# KiCad board oresat-backplane-2u.kicad_pcb
title: Oresat Backplane; rev: v2.2 (Frame v2)
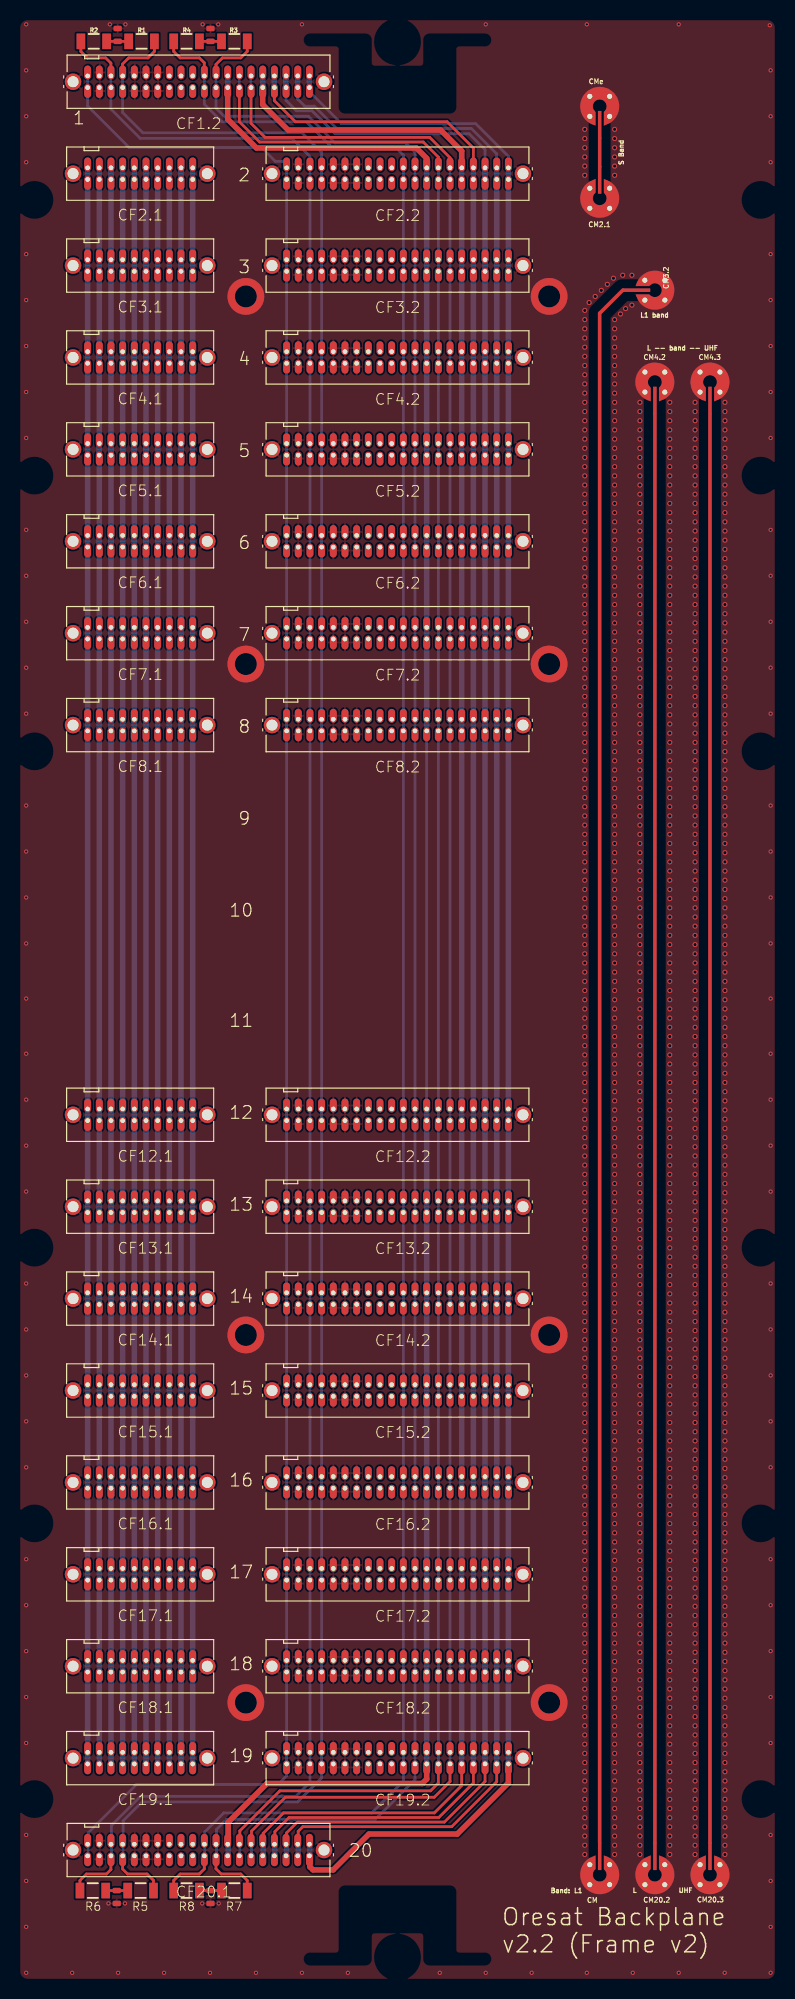
[diagram p0: board, top side]
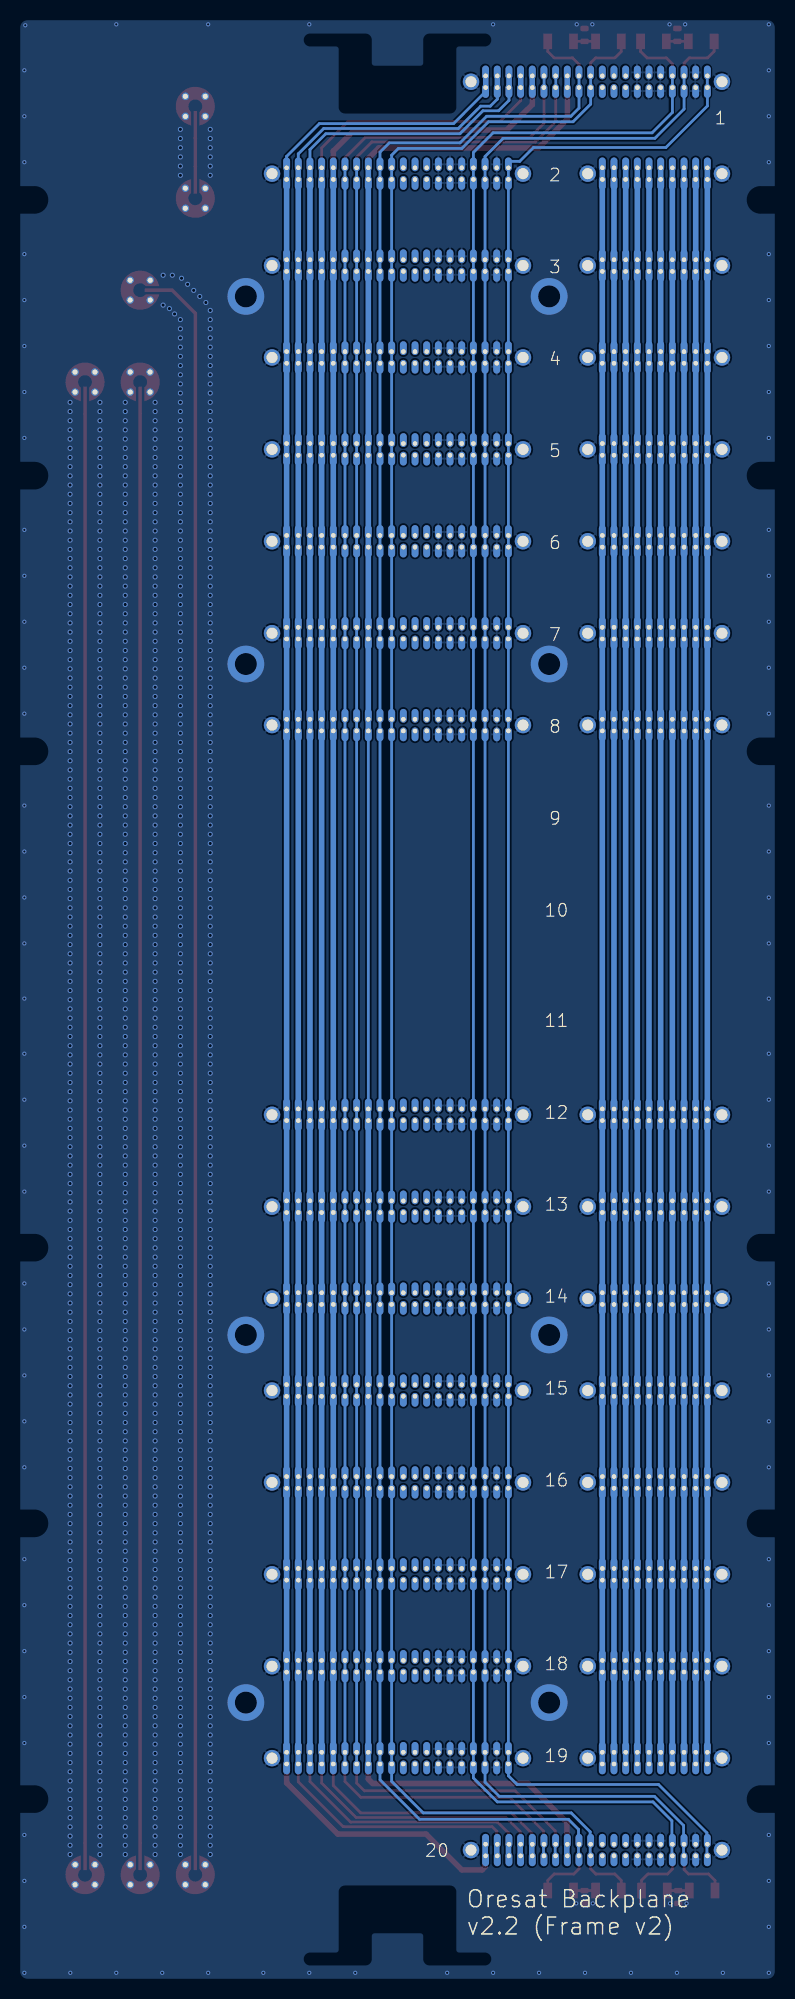
[diagram p1: board, bottom side, seen from below]

Outline 82.5 x 213.5 mm; copper layers: Top, In1.Cu, In2.Cu, Bottom. Coordinates in mm from the lower left corner of the outline.
Outline path: 0,212.5 0,195.05 1.75,195.05 arc(3.05,193.75) 1.75,192.45 0,192.45 0,165.05 1.75,165.05 arc(3.05,163.75) 1.75,162.45 0,162.45 0,135.05 1.75,135.05 arc(3.05,133.75) 1.75,132.45 0,132.45 0,81.05 1.75,81.05 arc(3.05,79.75) 1.75,78.45 0,78.45 0,51.05 1.75,51.05 arc(3.05,49.75) 1.75,48.45 0,48.45 0,21.05 1.75,21.05 arc(3.05,19.75) 1.75,18.45 0,18.45 0,1 arc(0.29,0.29) 1,0 81.5,0 arc(82.21,0.29) 82.5,1 82.5,18.45 80.75,18.45 arc(79.45,19.75) 80.75,21.05 82.5,21.05 82.5,48.45 80.75,48.45 arc(79.45,49.75) 80.75,51.05 82.5,51.05 82.5,78.45 80.75,78.45 arc(79.45,79.75) 80.75,81.05 82.5,81.05 82.5,132.45 80.75,132.45 arc(79.45,133.75) 80.75,135.05 82.5,135.05 82.5,162.45 80.75,162.45 arc(79.45,163.75) 80.75,165.05 82.5,165.05 82.5,192.45 80.75,192.45 arc(79.45,193.75) 80.75,195.05 82.5,195.05 82.5,212.5 arc(82.21,213.21) 81.5,213.5 1,213.5 arc(0.29,213.21) 0,212.5 ; 31.75,210.65 arc(31.25,211.15) 31.75,211.65 37.75,211.65 arc(38.1,211.5) 38.25,211.15 38.25,208.65 arc(38.4,208.3) 38.75,208.15 43.75,208.15 arc(44.1,208.3) 44.25,208.65 44.25,211.15 arc(44.4,211.5) 44.75,211.65 50.75,211.65 arc(51.25,211.15) 50.75,210.65 47.95,210.65 arc(47.6,210.5) 47.45,210.15 47.45,203.85 arc(47.3,203.5) 46.95,203.35 35.55,203.35 arc(35.2,203.5) 35.05,203.85 35.05,210.15 arc(34.9,210.5) 34.55,210.65 31.75,210.65 ; 31.75,2.85 34.55,2.85 arc(34.9,3) 35.05,3.35 35.05,9.65 arc(35.2,10) 35.55,10.15 46.95,10.15 arc(47.3,10) 47.45,9.65 47.45,3.35 arc(47.6,3) 47.95,2.85 50.75,2.85 arc(51.25,2.35) 50.75,1.85 44.75,1.85 arc(44.4,2) 44.25,2.35 44.25,4.85 arc(44.1,5.2) 43.75,5.35 38.75,5.35 arc(38.4,5.2) 38.25,4.85 38.25,2.35 arc(38.1,2) 37.75,1.85 31.75,1.85 arc(31.25,2.35) 31.75,2.85
Stack: Top 0.035mm / dielectric 0.48mm FR4 er 4.5 / In1.Cu 0.035mm / dielectric 0.48mm FR4 er 4.5 / In2.Cu 0.035mm / dielectric 0.48mm FR4 er 4.5 / Bottom 0.035mm

## Placement (name value [footprint] x y rotation side)
C1  1n  [.0603-C-NOSILK]  10.8 211.7 90 top
C2  1n  [.0603-C-NOSILK]  20.9 211.7 90 top
C3  1n  [.0603-C-NOSILK]  10.7 9.1 270 top
C4  1n  [.0603-C-NOSILK]  20.9 9.1 270 top
CF1.2  SFM-120-X1-XXX-D  [J-SAMTEC-SFM-120-X1-XXX-D]  19.6 206.61 0 top
CF2.1  SFM-110-X1-XXX-D-LC  [J-SAMTEC-CF-SFM-110-X1-XXX-D-LC]  13.25 196.61 0 top
CF2.2  SFM-120-X1-XXX-D  [J-SAMTEC-SFM-120-X1-XXX-D]  41.25 196.61 0 top
CF3.1  SFM-110-X1-XXX-D-LC  [J-SAMTEC-CF-SFM-110-X1-XXX-D-LC]  13.25 186.61 0 top
CF3.2  SFM-120-X1-XXX-D  [J-SAMTEC-SFM-120-X1-XXX-D]  41.25 186.61 0 top
CF4.1  SFM-110-X1-XXX-D-LC  [J-SAMTEC-CF-SFM-110-X1-XXX-D-LC]  13.25 176.61 0 top
CF4.2  SFM-120-X1-XXX-D  [J-SAMTEC-SFM-120-X1-XXX-D]  41.25 176.61 0 top
CF5.1  SFM-110-X1-XXX-D-LC  [J-SAMTEC-CF-SFM-110-X1-XXX-D-LC]  13.25 166.61 0 top
CF5.2  SFM-120-X1-XXX-D  [J-SAMTEC-SFM-120-X1-XXX-D]  41.25 166.61 0 top
CF6.1  SFM-110-X1-XXX-D-LC  [J-SAMTEC-CF-SFM-110-X1-XXX-D-LC]  13.25 156.61 0 top
CF6.2  SFM-120-X1-XXX-D  [J-SAMTEC-SFM-120-X1-XXX-D]  41.25 156.61 0 top
CF7.1  SFM-110-X1-XXX-D-LC  [J-SAMTEC-CF-SFM-110-X1-XXX-D-LC]  13.25 146.61 0 top
CF7.2  SFM-120-X1-XXX-D  [J-SAMTEC-SFM-120-X1-XXX-D]  41.25 146.61 0 top
CF8.1  SFM-110-X1-XXX-D-LC  [J-SAMTEC-CF-SFM-110-X1-XXX-D-LC]  13.25 136.61 0 top
CF8.2  SFM-120-X1-XXX-D  [J-SAMTEC-SFM-120-X1-XXX-D]  41.25 136.61 0 top
CF12.1  SFM-110-X1-XXX-D-LC  [J-SAMTEC-CF-SFM-110-X1-XXX-D-LC]  13.25 94.21 0 top
CF12.2  SFM-120-X1-XXX-D  [J-SAMTEC-SFM-120-X1-XXX-D]  41.25 94.21 0 top
CF13.1  SFM-110-X1-XXX-D-LC  [J-SAMTEC-CF-SFM-110-X1-XXX-D-LC]  13.25 84.21 0 top
CF13.2  SFM-120-X1-XXX-D  [J-SAMTEC-SFM-120-X1-XXX-D]  41.25 84.21 0 top
CF14.1  SFM-110-X1-XXX-D-LC  [J-SAMTEC-CF-SFM-110-X1-XXX-D-LC]  13.25 74.21 0 top
CF14.2  SFM-120-X1-XXX-D  [J-SAMTEC-SFM-120-X1-XXX-D]  41.25 74.21 0 top
CF15.1  SFM-110-X1-XXX-D-LC  [J-SAMTEC-CF-SFM-110-X1-XXX-D-LC]  13.25 64.21 0 top
CF15.2  SFM-120-X1-XXX-D  [J-SAMTEC-SFM-120-X1-XXX-D]  41.25 64.21 0 top
CF16.1  SFM-110-X1-XXX-D-LC  [J-SAMTEC-CF-SFM-110-X1-XXX-D-LC]  13.25 54.21 0 top
CF16.2  SFM-120-X1-XXX-D  [J-SAMTEC-SFM-120-X1-XXX-D]  41.25 54.21 0 top
CF17.1  SFM-110-X1-XXX-D-LC  [J-SAMTEC-CF-SFM-110-X1-XXX-D-LC]  13.25 44.21 0 top
CF17.2  SFM-120-X1-XXX-D  [J-SAMTEC-SFM-120-X1-XXX-D]  41.25 44.21 0 top
CF18.1  SFM-110-X1-XXX-D-LC  [J-SAMTEC-CF-SFM-110-X1-XXX-D-LC]  13.25 34.21 0 top
CF18.2  SFM-120-X1-XXX-D  [J-SAMTEC-SFM-120-X1-XXX-D]  41.25 34.21 0 top
CF19.1  SFM-110-X1-XXX-D-LC  [J-SAMTEC-CF-SFM-110-X1-XXX-D-LC]  13.25 24.21 0 top
CF19.2  SFM-120-X1-XXX-D  [J-SAMTEC-SFM-120-X1-XXX-D]  41.25 24.21 0 top
CF20.1  SFM-120-X1-XXX-D  [J-SAMTEC-SFM-120-X1-XXX-D]  19.6 14.21 0 top
CM  J-MOLEX-SMPM-73300-0111X  [J-MOLEX-SMPM-73300-0111X-long]  63.25 11.53 0 top
CM2.1  J-MOLEX-SMPM-73300-0111X  [J-MOLEX-SMPM-73300-0111X-long]  63.25 193.93 0 top
CM3.2  J-MOLEX-SMPM-73300-0111X  [J-MOLEX-SMPM-73300-0111X-long]  69.25 183.93 90 top
CM4.2  J-MOLEX-SMPM-73300-0111X  [J-MOLEX-SMPM-73300-0111X-long]  69.25 173.93 180 top
CM4.3  J-MOLEX-SMPM-73300-0111X  [J-MOLEX-SMPM-73300-0111X-long]  75.25 173.93 180 top
CM20.2  J-MOLEX-SMPM-73300-0111X  [J-MOLEX-SMPM-73300-0111X-long]  69.25 11.53 0 top
CM20.3  J-MOLEX-SMPM-73300-0111X  [J-MOLEX-SMPM-73300-0111X-long]  75.25 11.53 0 top
CMe  J-MOLEX-SMPM-73300-0111X  [J-MOLEX-SMPM-73300-0111X-long]  63.25 203.93 180 top
R1  60.4  [1206-C]  13.4 211 180 top
R2  60.4  [1206-C]  8.2 211 0 top
R3  60.4  [1206-C]  23.5 211 180 top
R4  60.4  [1206-C]  18.3 211 0 top
R5  60.4  [1206-C]  13.3 9.8 180 top
R6  60.4  [1206-C]  8.1 9.8 0 top
R7  60.4  [1206-C]  23.5 9.8 180 top
R8  60.4  [1206-C]  18.3 9.8 0 top

## Footprints (pads in the part's own frame, mm; a bottom-side part is the same pattern mirrored in y, then rotated)
1206-C
  rect 0.95x1.7 smd: 1(-1.4,0) 2(1.4,0)
.0603-C-NOSILK
  rrect 0.6x0.9 smd: 1(-0.7,0) 2(0.7,0)
J-MOLEX-SMPM-73300-0111X-long
  round 0.825 hole 0.55: GND(-1.08,1.09) GND(-1.08,-1.09) GND(1.08,1.09) GND(1.08,-1.09)
  custom 4.25x4.224 smd: GND(0,-1.419)
  rect 0.38x3 smd: RF-DOWN(0,3.5)
J-SAMTEC-CF-SFM-110-X1-XXX-D-LC
  oval 0.75x1.5 hole 0.5: 1(5.715,-0.635) 2(5.715,0.635) 3(4.445,-0.635) 4(4.445,0.635) 5(3.175,-0.635) 6(3.175,0.635) 7(1.905,-0.635) 8(1.905,0.635) 9(0.635,-0.635) 10(0.635,0.635) 11(-0.635,-0.635) 12(-0.635,0.635) 13(-1.905,-0.635) 14(-1.905,0.635) 15(-3.175,-0.635) 16(-3.175,0.635) 17(-4.445,-0.635) 18(-4.445,0.635) 19(-5.715,-0.635) 20(-5.715,0.635)
  round 1.791 hole 1.194: LC1(7.303,0) LC2(-7.303,0)
J-SAMTEC-SFM-120-X1-XXX-D
  oval 0.75x1.5 hole 0.5: 1(12.065,-0.635) 2(12.065,0.635) 3(10.795,-0.635) 4(10.795,0.635) 5(9.525,-0.635) 6(9.525,0.635) 7(8.255,-0.635) 8(8.255,0.635) 9(6.985,-0.635) 10(6.985,0.635) 11(5.715,-0.635) 12(5.715,0.635) 13(4.445,-0.635) 14(4.445,0.635) 15(3.175,-0.635) 16(3.175,0.635) 17(1.905,-0.635) 18(1.905,0.635) 19(0.635,-0.635) 20(0.635,0.635) 21(-0.635,-0.635) 22(-0.635,0.635) 23(-1.905,-0.635) 24(-1.905,0.635) 25(-3.175,-0.635) 26(-3.175,0.635) 27(-4.445,-0.635) 28(-4.445,0.635) 29(-5.715,-0.635) 30(-5.715,0.635) 31(-6.985,-0.635) 32(-6.985,0.635) 33(-8.255,-0.635) 34(-8.255,0.635) 35(-9.525,-0.635) 36(-9.525,0.635) 37(-10.795,-0.635) 38(-10.795,0.635) 39(-12.065,-0.635) 40(-12.065,0.635)
  round 1.791 hole 1.194: LC1(13.652,0) LC2(-13.652,0)

## Nets
GND: C1.2 C2.2 C3.2 C4.2 CF1.2.27 CF1.2.28 CF1.2.29 CF1.2.30 CF1.2.31 CF1.2.32 CF1.2.37 CF1.2.38 CF1.2.LC1 CF1.2.LC2 CF2.1.LC1 CF2.1.LC2 CF2.2.27 CF2.2.28 CF2.2.29 CF2.2.30 CF2.2.31 CF2.2.32 CF2.2.37 CF2.2.38 CF2.2.LC1 CF2.2.LC2 CF3.1.LC1 CF3.1.LC2 CF3.2.27 CF3.2.28 CF3.2.29 CF3.2.30 CF3.2.31 CF3.2.32 CF3.2.37 CF3.2.38 CF3.2.LC1 CF3.2.LC2 CF4.1.LC1 CF4.1.LC2 CF4.2.27 CF4.2.28 CF4.2.29 CF4.2.30 CF4.2.31 CF4.2.32 CF4.2.37 CF4.2.38 CF4.2.LC1 CF4.2.LC2 CF5.1.LC1 CF5.1.LC2 CF5.2.27 CF5.2.28 CF5.2.29 CF5.2.30 CF5.2.31 CF5.2.32 CF5.2.37 CF5.2.38 CF5.2.LC1 CF5.2.LC2 CF6.1.LC1 CF6.1.LC2 CF6.2.27 CF6.2.28 CF6.2.29 CF6.2.30 CF6.2.31 CF6.2.32 CF6.2.37 CF6.2.38 CF6.2.LC1 CF6.2.LC2 CF7.1.LC1 CF7.1.LC2 CF7.2.27 CF7.2.28 CF7.2.29 CF7.2.30 CF7.2.31 CF7.2.32 CF7.2.37 CF7.2.38 CF7.2.LC1 CF7.2.LC2 CF8.1.LC1 CF8.1.LC2 CF8.2.27 CF8.2.28 CF8.2.29 CF8.2.30 CF8.2.31 CF8.2.32 CF8.2.37 CF8.2.38 CF8.2.LC1 CF8.2.LC2 CF12.1.LC1 CF12.1.LC2 CF12.2.27 CF12.2.28 CF12.2.29 CF12.2.30 CF12.2.31 CF12.2.32 CF12.2.37 CF12.2.38 CF12.2.LC1 CF12.2.LC2 CF13.1.LC1 CF13.1.LC2 CF13.2.27 CF13.2.28 CF13.2.29 CF13.2.30 CF13.2.31 CF13.2.32 CF13.2.37 CF13.2.38 CF13.2.LC1 CF13.2.LC2 CF14.1.LC1 CF14.1.LC2 CF14.2.27 CF14.2.28 CF14.2.29 CF14.2.30 CF14.2.31 CF14.2.32 CF14.2.37 CF14.2.38 CF14.2.LC1 CF14.2.LC2 CF15.1.LC1 CF15.1.LC2 CF15.2.27 CF15.2.28 CF15.2.29 CF15.2.30 CF15.2.31 CF15.2.32 CF15.2.37 CF15.2.38 CF15.2.LC1 CF15.2.LC2 CF16.1.LC1 CF16.1.LC2 CF16.2.27 CF16.2.28 CF16.2.29 CF16.2.30 CF16.2.31 CF16.2.32 CF16.2.37 CF16.2.38 CF16.2.LC1 CF16.2.LC2 CF17.1.LC1 CF17.1.LC2 CF17.2.27 CF17.2.28 CF17.2.29 CF17.2.30 CF17.2.31 CF17.2.32 CF17.2.37 CF17.2.38 CF17.2.LC1 CF17.2.LC2 CF18.1.LC1 CF18.1.LC2 CF18.2.27 CF18.2.28 CF18.2.29 CF18.2.30 CF18.2.31 CF18.2.32 CF18.2.37 CF18.2.38 CF18.2.LC1 CF18.2.LC2 CF19.1.LC1 CF19.1.LC2 CF19.2.27 CF19.2.28 CF19.2.29 CF19.2.30 CF19.2.31 CF19.2.32 CF19.2.37 CF19.2.38 CF19.2.LC1 CF19.2.LC2 CF20.1.27 CF20.1.28 CF20.1.29 CF20.1.30 CF20.1.31 CF20.1.32 CF20.1.37 CF20.1.38 CF20.1.LC1 CF20.1.LC2 CM.GND CM2.1.GND CM3.2.GND CM4.2.GND CM4.3.GND CM20.2.GND CM20.3.GND CMe.GND
VBUS: CF1.2.21 CF1.2.22 CF1.2.23 CF1.2.24 CF1.2.25 CF1.2.26 CF2.2.21 CF2.2.22 CF2.2.23 CF2.2.24 CF2.2.25 CF2.2.26 CF3.2.21 CF3.2.22 CF3.2.23 CF3.2.24 CF3.2.25 CF3.2.26 CF4.2.21 CF4.2.22 CF4.2.23 CF4.2.24 CF4.2.25 CF4.2.26 CF5.2.21 CF5.2.22 CF5.2.23 CF5.2.24 CF5.2.25 CF5.2.26 CF6.2.21 CF6.2.22 CF6.2.23 CF6.2.24 CF6.2.25 CF6.2.26 CF7.2.21 CF7.2.22 CF7.2.23 CF7.2.24 CF7.2.25 CF7.2.26 CF8.2.21 CF8.2.22 CF8.2.23 CF8.2.24 CF8.2.25 CF8.2.26 CF12.2.21 CF12.2.22 CF12.2.23 CF12.2.24 CF12.2.25 CF12.2.26 CF13.2.21 CF13.2.22 CF13.2.23 CF13.2.24 CF13.2.25 CF13.2.26 CF14.2.21 CF14.2.22 CF14.2.23 CF14.2.24 CF14.2.25 CF14.2.26 CF15.2.21 CF15.2.22 CF15.2.23 CF15.2.24 CF15.2.25 CF15.2.26 CF16.2.21 CF16.2.22 CF16.2.23 CF16.2.24 CF16.2.25 CF16.2.26 CF17.2.21 CF17.2.22 CF17.2.23 CF17.2.24 CF17.2.25 CF17.2.26 CF18.2.21 CF18.2.22 CF18.2.23 CF18.2.24 CF18.2.25 CF18.2.26 CF19.2.21 CF19.2.22 CF19.2.23 CF19.2.24 CF19.2.25 CF19.2.26 CF20.1.21 CF20.1.22 CF20.1.23 CF20.1.24 CF20.1.25 CF20.1.26
AUX-1: CF2.1.1 CF2.1.2 CF3.1.1 CF3.1.2 CF4.1.1 CF4.1.2 CF5.1.1 CF5.1.2 CF6.1.1 CF6.1.2 CF7.1.1 CF7.1.2 CF8.1.1 CF8.1.2 CF12.1.1 CF12.1.2 CF13.1.1 CF13.1.2 CF14.1.1 CF14.1.2 CF15.1.1 CF15.1.2 CF16.1.1 CF16.1.2 CF17.1.1 CF17.1.2 CF18.1.1 CF18.1.2 CF19.1.1 CF19.1.2
AUX-2: CF2.1.3 CF2.1.4 CF3.1.3 CF3.1.4 CF4.1.3 CF4.1.4 CF5.1.3 CF5.1.4 CF6.1.3 CF6.1.4 CF7.1.3 CF7.1.4 CF8.1.3 CF8.1.4 CF12.1.3 CF12.1.4 CF13.1.3 CF13.1.4 CF14.1.3 CF14.1.4 CF15.1.3 CF15.1.4 CF16.1.3 CF16.1.4 CF17.1.3 CF17.1.4 CF18.1.3 CF18.1.4 CF19.1.3 CF19.1.4
AUX-3: CF2.1.5 CF2.1.6 CF3.1.5 CF3.1.6 CF4.1.5 CF4.1.6 CF5.1.5 CF5.1.6 CF6.1.5 CF6.1.6 CF7.1.5 CF7.1.6 CF8.1.5 CF8.1.6 CF12.1.5 CF12.1.6 CF13.1.5 CF13.1.6 CF14.1.5 CF14.1.6 CF15.1.5 CF15.1.6 CF16.1.5 CF16.1.6 CF17.1.5 CF17.1.6 CF18.1.5 CF18.1.6 CF19.1.5 CF19.1.6
AUX-4: CF2.1.7 CF2.1.8 CF3.1.7 CF3.1.8 CF4.1.7 CF4.1.8 CF5.1.7 CF5.1.8 CF6.1.7 CF6.1.8 CF7.1.7 CF7.1.8 CF8.1.7 CF8.1.8 CF12.1.7 CF12.1.8 CF13.1.7 CF13.1.8 CF14.1.7 CF14.1.8 CF15.1.7 CF15.1.8 CF16.1.7 CF16.1.8 CF17.1.7 CF17.1.8 CF18.1.7 CF18.1.8 CF19.1.7 CF19.1.8
AUX-5: CF2.1.9 CF2.1.10 CF3.1.9 CF3.1.10 CF4.1.9 CF4.1.10 CF5.1.9 CF5.1.10 CF6.1.9 CF6.1.10 CF7.1.9 CF7.1.10 CF8.1.9 CF8.1.10 CF12.1.9 CF12.1.10 CF13.1.9 CF13.1.10 CF14.1.9 CF14.1.10 CF15.1.9 CF15.1.10 CF16.1.9 CF16.1.10 CF17.1.9 CF17.1.10 CF18.1.9 CF18.1.10 CF19.1.9 CF19.1.10
AUX-6: CF2.1.11 CF2.1.12 CF3.1.11 CF3.1.12 CF4.1.11 CF4.1.12 CF5.1.11 CF5.1.12 CF6.1.11 CF6.1.12 CF7.1.11 CF7.1.12 CF8.1.11 CF8.1.12 CF12.1.11 CF12.1.12 CF13.1.11 CF13.1.12 CF14.1.11 CF14.1.12 CF15.1.11 CF15.1.12 CF16.1.11 CF16.1.12 CF17.1.11 CF17.1.12 CF18.1.11 CF18.1.12 CF19.1.11 CF19.1.12
AUX-7: CF2.1.13 CF2.1.14 CF3.1.13 CF3.1.14 CF4.1.13 CF4.1.14 CF5.1.13 CF5.1.14 CF6.1.13 CF6.1.14 CF7.1.13 CF7.1.14 CF8.1.13 CF8.1.14 CF12.1.13 CF12.1.14 CF13.1.13 CF13.1.14 CF14.1.13 CF14.1.14 CF15.1.13 CF15.1.14 CF16.1.13 CF16.1.14 CF17.1.13 CF17.1.14 CF18.1.13 CF18.1.14 CF19.1.13 CF19.1.14
AUX-8: CF2.1.15 CF2.1.16 CF3.1.15 CF3.1.16 CF4.1.15 CF4.1.16 CF5.1.15 CF5.1.16 CF6.1.15 CF6.1.16 CF7.1.15 CF7.1.16 CF8.1.15 CF8.1.16 CF12.1.15 CF12.1.16 CF13.1.15 CF13.1.16 CF14.1.15 CF14.1.16 CF15.1.15 CF15.1.16 CF16.1.15 CF16.1.16 CF17.1.15 CF17.1.16 CF18.1.15 CF18.1.16 CF19.1.15 CF19.1.16
AUX-9: CF2.1.17 CF2.1.18 CF3.1.17 CF3.1.18 CF4.1.17 CF4.1.18 CF5.1.17 CF5.1.18 CF6.1.17 CF6.1.18 CF7.1.17 CF7.1.18 CF8.1.17 CF8.1.18 CF12.1.17 CF12.1.18 CF13.1.17 CF13.1.18 CF14.1.17 CF14.1.18 CF15.1.17 CF15.1.18 CF16.1.17 CF16.1.18 CF17.1.17 CF17.1.18 CF18.1.17 CF18.1.18 CF19.1.17 CF19.1.18
AUX-10: CF2.1.19 CF2.1.20 CF3.1.19 CF3.1.20 CF4.1.19 CF4.1.20 CF5.1.19 CF5.1.20 CF6.1.19 CF6.1.20 CF7.1.19 CF7.1.20 CF8.1.19 CF8.1.20 CF12.1.19 CF12.1.20 CF13.1.19 CF13.1.20 CF14.1.19 CF14.1.20 CF15.1.19 CF15.1.20 CF16.1.19 CF16.1.20 CF17.1.19 CF17.1.20 CF18.1.19 CF18.1.20 CF19.1.19 CF19.1.20
CAN1_H: CF1.2.33 CF1.2.34 CF2.2.33 CF2.2.34 CF3.2.33 CF3.2.34 CF4.2.33 CF4.2.34 CF5.2.33 CF5.2.34 CF6.2.33 CF6.2.34 CF7.2.33 CF7.2.34 CF8.2.33 CF8.2.34 CF12.2.33 CF12.2.34 CF13.2.33 CF13.2.34 CF14.2.33 CF14.2.34 CF15.2.33 CF15.2.34 CF16.2.33 CF16.2.34 CF17.2.33 CF17.2.34 CF18.2.33 CF18.2.34 CF19.2.33 CF19.2.34 CF20.1.33 CF20.1.34 R1.1 R5.1
CAN1_L: CF1.2.35 CF1.2.36 CF2.2.35 CF2.2.36 CF3.2.35 CF3.2.36 CF4.2.35 CF4.2.36 CF5.2.35 CF5.2.36 CF6.2.35 CF6.2.36 CF7.2.35 CF7.2.36 CF8.2.35 CF8.2.36 CF12.2.35 CF12.2.36 CF13.2.35 CF13.2.36 CF14.2.35 CF14.2.36 CF15.2.35 CF15.2.36 CF16.2.35 CF16.2.36 CF17.2.35 CF17.2.36 CF18.2.35 CF18.2.36 CF19.2.35 CF19.2.36 CF20.1.35 CF20.1.36 R2.1 R6.1
CAN2_H: CF1.2.17 CF1.2.18 CF2.2.17 CF2.2.18 CF3.2.17 CF3.2.18 CF4.2.17 CF4.2.18 CF5.2.17 CF5.2.18 CF6.2.17 CF6.2.18 CF7.2.17 CF7.2.18 CF8.2.17 CF8.2.18 CF12.2.17 CF12.2.18 CF13.2.17 CF13.2.18 CF14.2.17 CF14.2.18 CF15.2.17 CF15.2.18 CF16.2.17 CF16.2.18 CF17.2.17 CF17.2.18 CF18.2.17 CF18.2.18 CF19.2.17 CF19.2.18 CF20.1.17 CF20.1.18 R3.1 R7.1
CAN2_L: CF1.2.19 CF1.2.20 CF2.2.19 CF2.2.20 CF3.2.19 CF3.2.20 CF4.2.19 CF4.2.20 CF5.2.19 CF5.2.20 CF6.2.19 CF6.2.20 CF7.2.19 CF7.2.20 CF8.2.19 CF8.2.20 CF12.2.19 CF12.2.20 CF13.2.19 CF13.2.20 CF14.2.19 CF14.2.20 CF15.2.19 CF15.2.20 CF16.2.19 CF16.2.20 CF17.2.19 CF17.2.20 CF18.2.19 CF18.2.20 CF19.2.19 CF19.2.20 CF20.1.19 CF20.1.20 R4.1 R8.1
L1-TURNSTILE: CM.RF-DOWN CM3.2.RF-DOWN
L-TURNSTILE: CM4.2.RF-DOWN CM20.2.RF-DOWN
OPD_PWR: CF1.2.15 CF1.2.16 CF2.2.15 CF2.2.16 CF3.2.15 CF3.2.16 CF4.2.15 CF4.2.16 CF5.2.15 CF5.2.16 CF6.2.15 CF6.2.16 CF7.2.15 CF7.2.16 CF8.2.15 CF8.2.16 CF12.2.15 CF12.2.16 CF13.2.15 CF13.2.16 CF14.2.15 CF14.2.16 CF15.2.15 CF15.2.16 CF16.2.15 CF16.2.16 CF17.2.15 CF17.2.16 CF18.2.15 CF18.2.16 CF19.2.15 CF19.2.16 CF20.1.15 CF20.1.16
OPD_SCL: CF1.2.13 CF1.2.14 CF2.2.13 CF2.2.14 CF3.2.13 CF3.2.14 CF4.2.13 CF4.2.14 CF5.2.13 CF5.2.14 CF6.2.13 CF6.2.14 CF7.2.13 CF7.2.14 CF8.2.13 CF8.2.14 CF12.2.13 CF12.2.14 CF13.2.13 CF13.2.14 CF14.2.13 CF14.2.14 CF15.2.13 CF15.2.14 CF16.2.13 CF16.2.14 CF17.2.13 CF17.2.14 CF18.2.13 CF18.2.14 CF19.2.13 CF19.2.14 CF20.1.13 CF20.1.14
OPD_SDA: CF1.2.11 CF1.2.12 CF2.2.11 CF2.2.12 CF3.2.11 CF3.2.12 CF4.2.11 CF4.2.12 CF5.2.11 CF5.2.12 CF6.2.11 CF6.2.12 CF7.2.11 CF7.2.12 CF8.2.11 CF8.2.12 CF12.2.11 CF12.2.12 CF13.2.11 CF13.2.12 CF14.2.11 CF14.2.12 CF15.2.11 CF15.2.12 CF16.2.11 CF16.2.12 CF17.2.11 CF17.2.12 CF18.2.11 CF18.2.12 CF19.2.11 CF19.2.12 CF20.1.11 CF20.1.12
S-HELICAL: CM2.1.RF-DOWN CMe.RF-DOWN
SPARE1: CF1.2.9 CF1.2.10 CF2.2.9 CF2.2.10 CF3.2.9 CF3.2.10 CF4.2.9 CF4.2.10 CF5.2.9 CF5.2.10 CF6.2.9 CF6.2.10 CF7.2.9 CF7.2.10 CF8.2.9 CF8.2.10 CF12.2.9 CF12.2.10 CF13.2.9 CF13.2.10 CF14.2.9 CF14.2.10 CF15.2.9 CF15.2.10 CF16.2.9 CF16.2.10 CF17.2.9 CF17.2.10 CF18.2.9 CF18.2.10 CF19.2.9 CF19.2.10 CF20.1.9 CF20.1.10
SPARE2: CF1.2.7 CF1.2.8 CF2.2.7 CF2.2.8 CF3.2.7 CF3.2.8 CF4.2.7 CF4.2.8 CF5.2.7 CF5.2.8 CF6.2.7 CF6.2.8 CF7.2.7 CF7.2.8 CF8.2.7 CF8.2.8 CF12.2.7 CF12.2.8 CF13.2.7 CF13.2.8 CF14.2.7 CF14.2.8 CF15.2.7 CF15.2.8 CF16.2.7 CF16.2.8 CF17.2.7 CF17.2.8 CF18.2.7 CF18.2.8 CF19.2.7 CF19.2.8 CF20.1.7 CF20.1.8
SPARE3: CF1.2.5 CF1.2.6 CF2.2.5 CF2.2.6 CF3.2.5 CF3.2.6 CF4.2.5 CF4.2.6 CF5.2.5 CF5.2.6 CF6.2.5 CF6.2.6 CF7.2.5 CF7.2.6 CF8.2.5 CF8.2.6 CF12.2.5 CF12.2.6 CF13.2.5 CF13.2.6 CF14.2.5 CF14.2.6 CF15.2.5 CF15.2.6 CF16.2.5 CF16.2.6 CF17.2.5 CF17.2.6 CF18.2.5 CF18.2.6 CF19.2.5 CF19.2.6 CF20.1.5 CF20.1.6
SPARE4: CF1.2.3 CF1.2.4 CF2.2.3 CF2.2.4 CF3.2.3 CF3.2.4 CF4.2.3 CF4.2.4 CF5.2.3 CF5.2.4 CF6.2.3 CF6.2.4 CF7.2.3 CF7.2.4 CF8.2.3 CF8.2.4 CF12.2.3 CF12.2.4 CF13.2.3 CF13.2.4 CF14.2.3 CF14.2.4 CF15.2.3 CF15.2.4 CF16.2.3 CF16.2.4 CF17.2.3 CF17.2.4 CF18.2.3 CF18.2.4 CF19.2.3 CF19.2.4 CF20.1.3 CF20.1.4
SPARE5: CF1.2.1 CF1.2.2 CF2.2.1 CF2.2.2 CF3.2.1 CF3.2.2 CF4.2.1 CF4.2.2 CF5.2.1 CF5.2.2 CF6.2.1 CF6.2.2 CF7.2.1 CF7.2.2 CF8.2.1 CF8.2.2 CF12.2.1 CF12.2.2 CF13.2.1 CF13.2.2 CF14.2.1 CF14.2.2 CF15.2.1 CF15.2.2 CF16.2.1 CF16.2.2 CF17.2.1 CF17.2.2 CF18.2.1 CF18.2.2 CF19.2.1 CF19.2.2 CF20.1.1 CF20.1.2
UHF-TURNSTILE: CM4.3.RF-DOWN CM20.3.RF-DOWN
~{SD}: CF1.2.39 CF1.2.40 CF2.2.39 CF2.2.40 CF3.2.39 CF3.2.40 CF4.2.39 CF4.2.40 CF5.2.39 CF5.2.40 CF6.2.39 CF6.2.40 CF7.2.39 CF7.2.40 CF8.2.39 CF8.2.40 CF12.2.39 CF12.2.40 CF13.2.39 CF13.2.40 CF14.2.39 CF14.2.40 CF15.2.39 CF15.2.40 CF16.2.39 CF16.2.40 CF17.2.39 CF17.2.40 CF18.2.39 CF18.2.40 CF19.2.39 CF19.2.40 CF20.1.39 CF20.1.40
Net-(C1-Pad1): C1.1 R1.2 R2.2
Net-(C2-Pad1): C2.1 R3.2 R4.2
Net-(C3-Pad1): C3.1 R5.2 R6.2
Net-(C4-Pad1): C4.1 R7.2 R8.2

## Via types
v1: diameter 0.553, hole 0.35, Top to Bottom, 995 vias
v2: diameter 4, hole 2.4, Top to Bottom, 8 vias
v3: diameter 0.457, hole 0.254, Top to Bottom, 100 vias
